# Altium PCB Tag201_GangProgrammerRev2.PcbDoc (part 3 of 7) (continued)
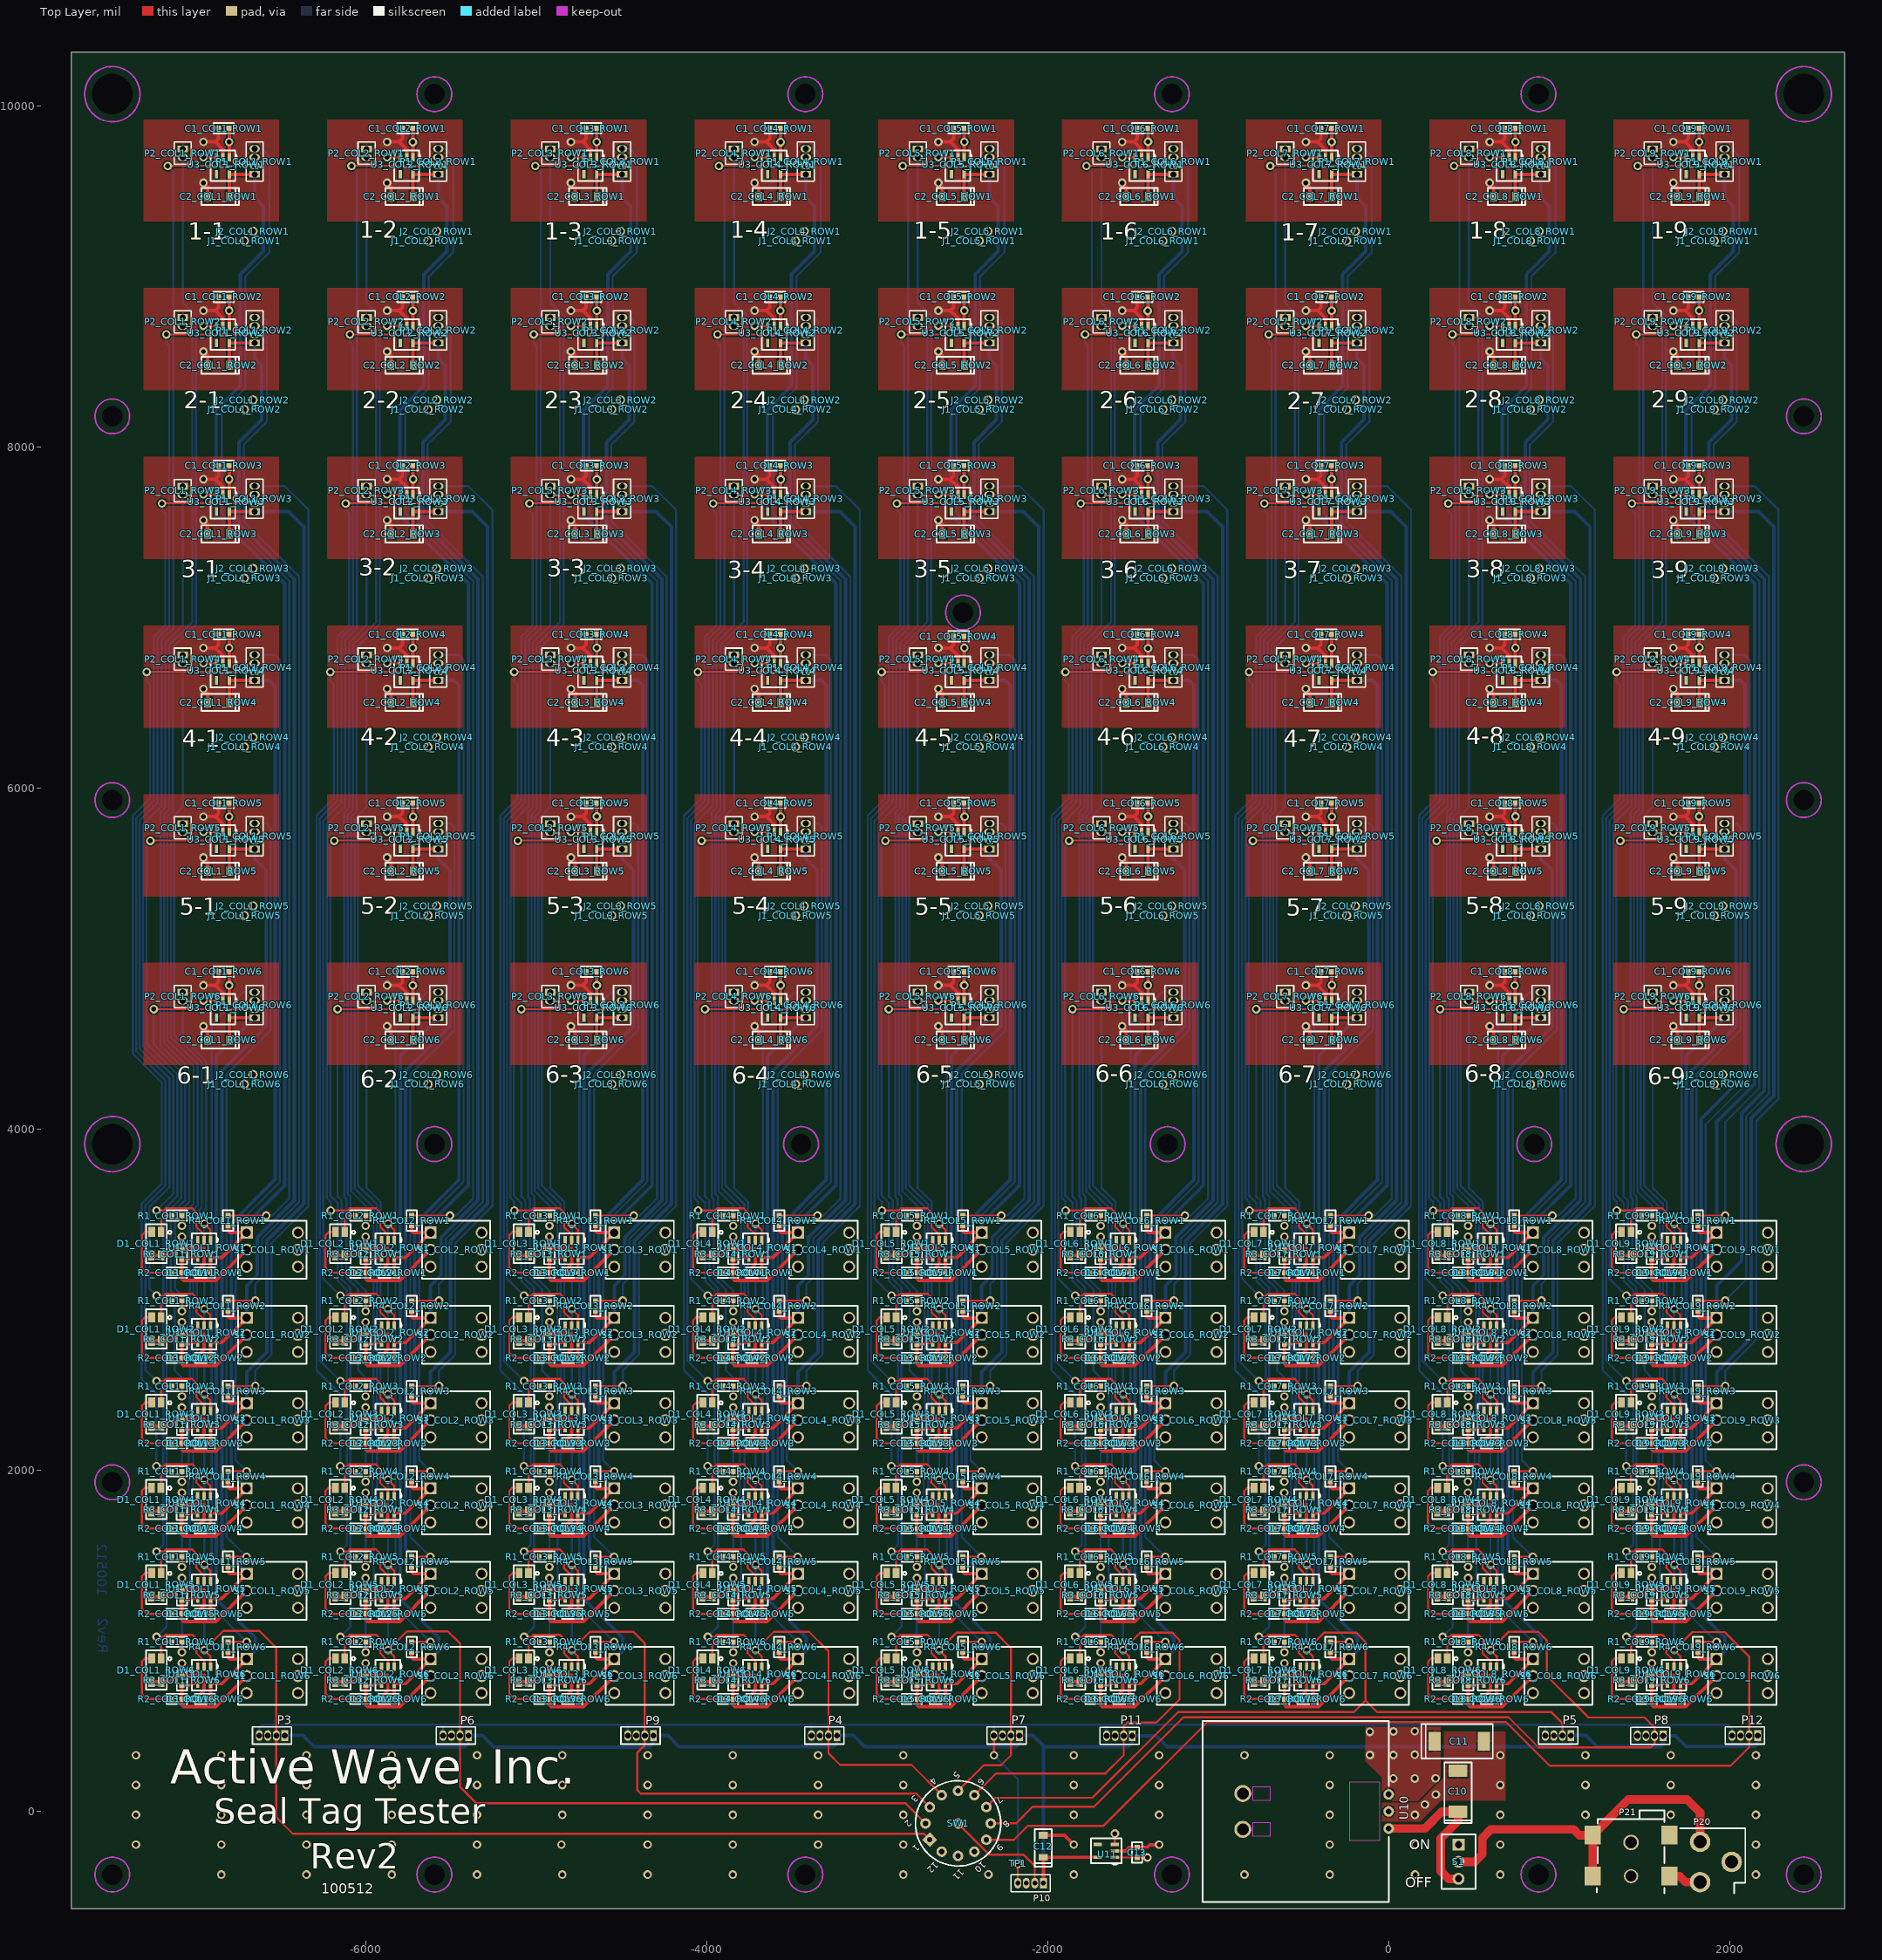
[diagram p0: Top Layer view]
## Nets (pads, with @x,y where several pads share a name; then routed paths per layer and width w, separated by ;. In a path a pad name is that pad's centre, name@x,y a point inside that pad or via, vN(x,y) a via of type N, cw(c..) or ccw(c..) an arc to the next point about the centre after c; other vN are vias at no path point) (continued)
  Top Layer w20: U3_COL1_ROW6.1@-6799,4754 C1_COL1_ROW6.1@-6799,4921.5 ; U3_COL1_ROW5.1@-6799,5743 C1_COL1_ROW5.1@-6799,5910.5 ; U3_COL1_ROW4.1@-6799,6732 C1_COL1_ROW4.1@-6799,6899.5 ; U3_COL1_ROW3.1@-6799,7721 C1_COL1_ROW3.1@-6799,7888.5 ; U3_COL1_ROW2.1@-6799,8710 C1_COL1_ROW2.1@-6799,8877.5 ; U3_COL1_ROW1.1@-6799,9699 C1_COL1_ROW1.1@-6799,9866.5 ; U3_COL2_ROW6.1@-5721.5,4754 C1_COL2_ROW6.1@-5721.5,4921.5 ; U3_COL2_ROW5.1@-5721.5,5743 C1_COL2_ROW5.1@-5721.5,5910.5 ; U3_COL2_ROW4.1@-5721.5,6732 C1_COL2_ROW4.1@-5721.5,6899.5 ; U3_COL2_ROW3.1@-5721.5,7721 C1_COL2_ROW3.1@-5721.5,7888.5 ; U3_COL2_ROW2.1@-5721.5,8710 C1_COL2_ROW2.1@-5721.5,8877.5 ; U3_COL2_ROW1.1@-5721.5,9699 C1_COL2_ROW1.1@-5721.5,9866.5 ; U3_COL3_ROW6.1@-4644,4754 C1_COL3_ROW6.1@-4644,4921.5 ; U3_COL3_ROW5.1@-4644,5743 C1_COL3_ROW5.1@-4644,5910.5 ; U3_COL3_ROW4.1@-4644,6732 C1_COL3_ROW4.1@-4644,6899.5 ; U3_COL3_ROW3.1@-4644,7721 C1_COL3_ROW3.1@-4644,7888.5 ; U3_COL3_ROW2.1@-4644,8710 C1_COL3_ROW2.1@-4644,8877.5 ; U3_COL3_ROW1.1@-4644,9699 C1_COL3_ROW1.1@-4644,9866.5 ; U3_COL4_ROW6.1@-3566.5,4754 C1_COL4_ROW6.1@-3566.5,4921.5 ; U3_COL4_ROW5.1@-3566.5,5743 C1_COL4_ROW5.1@-3566.5,5910.5 ; U3_COL4_ROW4.1@-3566.5,6732 C1_COL4_ROW4.1@-3566.5,6899.5 ; U3_COL4_ROW3.1@-3566.5,7721 C1_COL4_ROW3.1@-3566.5,7888.5 ; U3_COL4_ROW2.1@-3566.5,8710 C1_COL4_ROW2.1@-3566.5,8877.5 ; U3_COL4_ROW1.1@-3566.5,9699 C1_COL4_ROW1.1@-3566.5,9866.5 ; U3_COL5_ROW6.1@-2489,4754 C1_COL5_ROW6.1@-2489,4921.5 ; U3_COL5_ROW5.1@-2489,5743 C1_COL5_ROW5.1@-2489,5910.5 ; U3_COL5_ROW4.1@-2489,6732 C1_COL5_ROW4.1@-2489,6883 ; U3_COL5_ROW3.1@-2489,7721 C1_COL5_ROW3.1@-2489,7888.5 ; U3_COL5_ROW2.1@-2489,8710 C1_COL5_ROW2.1@-2489,8877.5 ; U3_COL5_ROW1.1@-2489,9699 C1_COL5_ROW1.1@-2489,9866.5 ; U3_COL6_ROW6.1@-1411.5,4754 C1_COL6_ROW6.1@-1411.5,4921.5 ; U3_COL6_ROW5.1@-1411.5,5743 C1_COL6_ROW5.1@-1411.5,5910.5 ; U3_COL6_ROW4.1@-1411.5,6732 C1_COL6_ROW4.1@-1411.5,6899.5 ; U3_COL6_ROW3.1@-1411.5,7721 C1_COL6_ROW3.1@-1411.5,7888.5 ; U3_COL6_ROW2.1@-1411.5,8710 C1_COL6_ROW2.1@-1411.5,8877.5 ; U3_COL6_ROW1.1@-1411.5,9699 C1_COL6_ROW1.1@-1411.5,9866.5 ; U3_COL7_ROW6.1@-334,4754 C1_COL7_ROW6.1@-334,4921.5 ; U3_COL7_ROW5.1@-334,5743 C1_COL7_ROW5.1@-334,5910.5 ; U3_COL7_ROW4.1@-334,6732 C1_COL7_ROW4.1@-334,6899.5 ; U3_COL7_ROW3.1@-334,7721 C1_COL7_ROW3.1@-334,7888.5 ; U3_COL7_ROW2.1@-334,8710 C1_COL7_ROW2.1@-334,8877.5 ; U3_COL7_ROW1.1@-334,9699 C1_COL7_ROW1.1@-334,9866.5 ; U3_COL8_ROW6.1@743.5,4754 C1_COL8_ROW6.1@743.5,4921.5 ; U3_COL8_ROW5.1@743.5,5743 C1_COL8_ROW5.1@743.5,5910.5 ; U3_COL8_ROW4.1@743.5,6732 C1_COL8_ROW4.1@743.5,6899.5 ; U3_COL8_ROW3.1@743.5,7721 C1_COL8_ROW3.1@743.5,7888.5 ; U3_COL8_ROW2.1@743.5,8710 C1_COL8_ROW2.1@743.5,8877.5 ; U3_COL8_ROW1.1@743.5,9699 C1_COL8_ROW1.1@743.5,9866.5 ; U3_COL9_ROW6.1@1821,4754 C1_COL9_ROW6.1@1821,4921.5 ; U3_COL9_ROW5.1@1821,5743 C1_COL9_ROW5.1@1821,5910.5 ; U3_COL9_ROW4.1@1821,6732 C1_COL9_ROW4.1@1821,6899.5 ; U3_COL9_ROW3.1@1821,7721 C1_COL9_ROW3.1@1821,7888.5 ; U3_COL9_ROW2.1@1821,8710 C1_COL9_ROW2.1@1821,8877.5 ; U3_COL9_ROW1.1@1821,9699 C1_COL9_ROW1.1@1821,9866.5
  other v1: -1605,-130 27,193 153,193 275,194 -109,331 27,331 153,333 -110,467 28,469 153,470 -5722,4843 739,4843 -6799.5,4844 -4643,4844 -3566,4844 -2489,4844 -1412,4844 1821,4844 -333,4845 -5721,5832 -3566,5832 -6799.5,5833 -2487,5833 -333,5833 -4643,5834 -1411,5834 744,5834 1821,5834 -1411,6820 -6799.5,6822 -5722,6822 -4643,6822 -3566,6822 -2488,6822 -333,6822 744,6822 1822,6824 -4643,7810 -3565,7810 -6799.5,7811 -5721,7811 744,7811 1821,7811 -2489,7812 -1412,7812 -334,7812 -1413,8798 -5722,8799 -4643,8799 -3567,8799 -334,8799 -6799.5,8800 -2488,8800 744,8800 1821,8800 -5722,9788 -3566,9788 -6799.5,9789 -4644,9789 -2488,9789 -334,9789 744,9789 1821,9789 -1411,9790
DEBUG_COL1: P3.2 SW1.1 U1_COL1_ROW1.1@-6909,3349 U1_COL1_ROW2.1@-6909,2849 U1_COL1_ROW3.1@-6909,2349 U1_COL1_ROW4.1@-6909.5,1849 U1_COL1_ROW5.1@-6909,1349 U1_COL1_ROW6.1@-6909,849 | length 8562.7
  Top Layer w12: v1(-6946,1946) -6909.5,1909.5 U1_COL1_ROW4.1@-6909.5,1849 ; v1(-6945.5,1446) -6909,1409.5 U1_COL1_ROW5.1@-6909,1349 ; v1(-6945.5,2446) -6909,2409.5 U1_COL1_ROW3.1@-6909,2349 ; v1(-6945.5,2946) -6909,2909.5 U1_COL1_ROW2.1@-6909,2849 ; v1(-6945.5,3446) -6909,3409.5 U1_COL1_ROW1.1@-6909,3349 ; U1_COL1_ROW6.1@-6909,849 -6909,909.5 v1(-6945.5,946) -6832.5,1059 -6623,1059 -6523,959 P3.2@-6523,445 -6523,-34 -6426,-131 -2725.63,-131 SW1.1@-2691.17,-165.46
  Bottom Layer w12: v1(-6945.5,946) v1(-6945.5,1446) v1(-6945.5,2446) v1(-6945.5,2946) v1(-6945.5,3446)
DEBUG_COL1_ROW1: P1_COL1_ROW1.2 U1_COL1_ROW1.2 | length 7265.1
  Top Layer w12: v1(-7225.5,3524) -7183.5,3524 -7171.5,3536 -7015.5,3536 -6991.5,3512 -6991.5,3428 -6946,3382.5 U1_COL1_ROW1.2@-6946,3349 ; v1@-7159.5,9649 P1_COL1_ROW1.2@-6650.5,9649
  Bottom Layer w12: v1(-7225.5,3524) -7126.5,3623 -7126.5,4310 -7304.5,4488 -7304.5,5787 -7196.5,5895 -7196.5,6868 -7127.5,6937 -7127.5,9616 v1(-7159.5,9648)
DEBUG_COL1_ROW2: P1_COL1_ROW2.2 U1_COL1_ROW2.2 | length 6803
  Top Layer w12: v1(-7225.5,3024) -7183.5,3024 -7171.5,3036 -7015.5,3036 -6991.5,3012 -6991.5,2928 -6946,2882.5 U1_COL1_ROW2.2@-6946,2849 ; v1(-7168.5,8660) P1_COL1_ROW2.2@-6650.5,8660
  Bottom Layer w12: v1(-7225.5,3024) -7268.5,3067 -7268.5,3543 -7149.5,3662 -7149.5,4297 -7324.5,4472 -7324.5,5810 -7218.5,5916 -7218.5,6880 -7151.5,6947 -7151.5,8593 -7168.5,8610 v1(-7168.5,8660)
DEBUG_COL1_ROW3: P1_COL1_ROW3.2 U1_COL1_ROW3.2 | length 6342.9
  Top Layer w12: v1(-7225.5,2524) -7183.5,2524 -7171.5,2536 -7015.5,2536 -6991.5,2512 -6991.5,2428 -6946,2382.5 U1_COL1_ROW3.2@-6946,2349 ; v1@-7191.5,7671 P1_COL1_ROW3.2@-6650.5,7671
  Bottom Layer w12: v1(-7225.5,2524) -7291.5,2590 -7291.5,3553 -7172.5,3672 -7172.5,4285 -7344.5,4457 -7344.5,5824 -7241.5,5927 -7241.5,6888 -7174.5,6955 -7174.5,7611 -7193.5,7630 v1(-7193.5,7669)
DEBUG_COL1_ROW4: P1_COL1_ROW4.2 U1_COL1_ROW4.2 | length 5925.8
  Top Layer w12: v1@-7282.5,6682 P1_COL1_ROW4.2@-6650.5,6682 ; v1(-7226,2024) -7184,2024 -7172,2036 -7016,2036 -6992,2012 -6992,1928 -6946.5,1882.5 U1_COL1_ROW4.2@-6946.5,1849
  Bottom Layer w12: v1(-7283.5,6681) -7283.5,6627 -7263.5,6607 -7263.5,5940 -7364.5,5839 -7364.5,4443 -7194.5,4273 -7194.5,3682 -7313.5,3563 -7313.5,2536 -7226,2448.5 v1(-7226,2024)
DEBUG_COL1_ROW5: P1_COL1_ROW5.2 U1_COL1_ROW5.2 | length 5341
  Top Layer w12: v1@-7259.5,5693 P1_COL1_ROW5.2@-6650.5,5693 ; v1(-7225.5,1524) -7183.5,1524 -7171.5,1536 -7015.5,1536 -6991.5,1512 -6991.5,1428 -6946,1382.5 U1_COL1_ROW5.2@-6946,1349
  Bottom Layer w12: v1(-7261.5,5691) -7284.5,5668 -7284.5,4504 -7104.5,4324 -7104.5,3606 -7186.5,3524 -7186.5,1563 v1(-7225.5,1524)
DEBUG_COL1_ROW6: P1_COL1_ROW6.2 U1_COL1_ROW6.2 | length 4827.7
  Top Layer w12: v1(-7241.5,4704) P1_COL1_ROW6.2@-6650.5,4704 ; v1(-7225.5,1024) -7183.5,1024 -7171.5,1036 -7015.5,1036 -6991.5,1012 -6991.5,928 -6946,882.5 U1_COL1_ROW6.2@-6946,849
  Bottom Layer w12: v1(-7241.5,4704) -7241.5,4497 -7081.5,4337 -7081.5,3595 -7166.5,3510 -7166.5,1083 v1(-7225.5,1024)
DEBUG_COL2: P6.2 SW1.2 U1_COL2_ROW1.1@-5831.5,3349 U1_COL2_ROW2.1@-5831.5,2849 U1_COL2_ROW3.1@-5831.5,2349 U1_COL2_ROW4.1@-5832,1849 U1_COL2_ROW5.1@-5831.5,1349 U1_COL2_ROW6.1@-5831.5,849 | length 7329.4
  Top Layer w12: v1(-5868.5,1946) -5832,1909.5 U1_COL2_ROW4.1@-5832,1849 ; v1(-5868,1446) -5831.5,1409.5 U1_COL2_ROW5.1@-5831.5,1349 ; v1(-5868,2446) -5831.5,2409.5 U1_COL2_ROW3.1@-5831.5,2349 ; v1(-5868,2946) -5831.5,2909.5 U1_COL2_ROW2.1@-5831.5,2849 ; v1(-5868,3446) -5831.5,3409.5 U1_COL2_ROW1.1@-5831.5,3349 ; U1_COL2_ROW6.1@-5831.5,849 -5831.5,909.5 v1(-5868,946) -5758,1056 -5517,1056 -5446,985 P6.2@-5446,445 -5446,144 -5351,49 -2834.92,49 SW1.2@-2715.92,-70
  Bottom Layer w12: v1(-5868,946) v1(-5868,1446) v1(-5868,2446) v1(-5868,2946) v1(-5868,3446)
DEBUG_COL2_ROW1: P1_COL2_ROW1.2 U1_COL2_ROW1.2 | length 7217.1
  Top Layer w12: v1@-6204.5,3524 -6106,3524 -6094,3536 -5938,3536 -5914,3512 -5914,3428 -5868.5,3382.5 U1_COL2_ROW1.2@-5868.5,3349 ; v1@-6082,9649 P1_COL2_ROW1.2@-5573,9649
  Bottom Layer w12: v1(-6204.5,3523) -6204.5,3574 -6227,3596.5 -6227,5787 -6119,5895 -6119,6868 -6050,6937 -6050,9616 v1(-6082,9648)
DEBUG_COL2_ROW2: P1_COL2_ROW2.2 U1_COL2_ROW2.2 | length 6704.5
  Top Layer w12: v1(-6148,3024) -6106,3024 -6094,3036 -5938,3036 -5914,3012 -5914,2928 -5868.5,2882.5 U1_COL2_ROW2.2@-5868.5,2849 ; v1(-6091,8660) P1_COL2_ROW2.2@-5573,8660
  Bottom Layer w12: v1(-6148,3024) -6247,3123 -6247,5810 -6141,5916 -6141,6880 -6074,6947 -6074,8593 -6091,8610 v1(-6091,8660)
DEBUG_COL2_ROW3: P1_COL2_ROW3.2 U1_COL2_ROW3.2 | length 6244.3
  Top Layer w12: v1(-6148,2524) -6106,2524 -6094,2536 -5938,2536 -5914,2512 -5914,2428 -5868.5,2382.5 U1_COL2_ROW3.2@-5868.5,2349 ; v1@-6114,7671 P1_COL2_ROW3.2@-5573,7671
  Bottom Layer w12: v1(-6148,2524) -6267,2643 -6267,5824 -6164,5927 -6164,6888 -6097,6955 -6097,7611 -6116,7630 v1(-6116,7669)
DEBUG_COL2_ROW4: P1_COL2_ROW4.2 U1_COL2_ROW4.2 | length 5827.2
  Top Layer w12: v1@-6205,6682 P1_COL2_ROW4.2@-5573,6682 ; v1(-6148.5,2024) -6106.5,2024 -6094.5,2036 -5938.5,2036 -5914.5,2012 -5914.5,1928 -5869,1882.5 U1_COL2_ROW4.2@-5869,1849
  Bottom Layer w12: v1(-6206,6681) -6206,6627 -6186,6607 -6186,5940 -6287,5839 -6287,2587 -6148.5,2448.5 v1(-6148.5,2024)
DEBUG_COL2_ROW5: P1_COL2_ROW5.2 U1_COL2_ROW5.2 | length 5273
  Top Layer w12: v1@-6182,5693 P1_COL2_ROW5.2@-5573,5693 ; v1(-6148,1524) -6106,1524 -6094,1536 -5938,1536 -5914,1512 -5914,1428 -5868.5,1382.5 U1_COL2_ROW5.2@-5868.5,1349
  Bottom Layer w12: v1(-6184,5691) -6207,5668 -6207,3611.5 -6163.5,3568 -6163.5,3110.5 -6109,3056 -6109,1563 v1(-6148,1524)
DEBUG_COL2_ROW6: P1_COL2_ROW6.2 U1_COL2_ROW6.2 | length 4757.3
  Top Layer w12: v1(-6164,4704) P1_COL2_ROW6.2@-5573,4704 ; v1(-6148,1024) -6106,1024 -6094,1036 -5938,1036 -5914,1012 -5914,928 -5868.5,882.5 U1_COL2_ROW6.2@-5868.5,849
  Bottom Layer w12: v1(-6164,4704) -6164,3606.5 -6139.5,3582 -6139.5,3121.5 -6089,3071 -6089,1083 v1(-6148,1024)
DEBUG_COL3: P9.2 SW1.3 U1_COL3_ROW1.1@-4754,3349 U1_COL3_ROW2.1@-4754,2849 U1_COL3_ROW3.1@-4754,2349 U1_COL3_ROW4.1@-4754.5,1849 U1_COL3_ROW5.1@-4754,1349 U1_COL3_ROW6.1@-4754,849 | length 6309.8
  Top Layer w12: v1(-4791,1946) -4754.5,1909.5 U1_COL3_ROW4.1@-4754.5,1849 ; v1(-4790.5,1446) -4754,1409.5 U1_COL3_ROW5.1@-4754,1349 ; v1(-4790.5,2446) -4754,2409.5 U1_COL3_ROW3.1@-4754,2349 ; v1(-4790.5,2946) -4754,2909.5 U1_COL3_ROW2.1@-4754,2849 ; v1(-4790.5,3446) -4754,3409.5 U1_COL3_ROW1.1@-4754,3349 ; U1_COL3_ROW6.1@-4754,849 -4754,909.5 v1(-4790.5,946) -4682.5,1054 -4431,1054 -4362,985 P9.2@-4362,445 -4362,389 -4407,344 -4407,126 -4386,105 -2770.1,105 SW1.3@-2690.87,25.76
  Bottom Layer w12: v1(-4790.5,946) v1(-4790.5,1446) v1(-4790.5,2446) v1(-4790.5,2946) v1(-4790.5,3446)
DEBUG_COL3_ROW1: P1_COL3_ROW1.2 U1_COL3_ROW1.2 | length 7217.1
  Top Layer w12: v1@-5127,3524 -5028.5,3524 -5016.5,3536 -4860.5,3536 -4836.5,3512 -4836.5,3428 -4791,3382.5 U1_COL3_ROW1.2@-4791,3349 ; v1@-5004.5,9649 P1_COL3_ROW1.2@-4495.5,9649
  Bottom Layer w12: v1(-5127,3523) -5127,3574 -5149.5,3596.5 -5149.5,5787 -5041.5,5895 -5041.5,6868 -4972.5,6937 -4972.5,9616 v1(-5004.5,9648)
DEBUG_COL3_ROW2: P1_COL3_ROW2.2 U1_COL3_ROW2.2 | length 6704.5
  Top Layer w12: v1(-5070.5,3024) -5028.5,3024 -5016.5,3036 -4860.5,3036 -4836.5,3012 -4836.5,2928 -4791,2882.5 U1_COL3_ROW2.2@-4791,2849 ; v1(-5013.5,8660) P1_COL3_ROW2.2@-4495.5,8660
  Bottom Layer w12: v1(-5070.5,3024) -5169.5,3123 -5169.5,5810 -5063.5,5916 -5063.5,6880 -4996.5,6947 -4996.5,8593 -5013.5,8610 v1(-5013.5,8660)
DEBUG_COL3_ROW3: P1_COL3_ROW3.2 U1_COL3_ROW3.2 | length 6244.3
  Top Layer w12: v1(-5070.5,2524) -5028.5,2524 -5016.5,2536 -4860.5,2536 -4836.5,2512 -4836.5,2428 -4791,2382.5 U1_COL3_ROW3.2@-4791,2349 ; v1@-5036.5,7671 P1_COL3_ROW3.2@-4495.5,7671
  Bottom Layer w12: v1(-5070.5,2524) -5189.5,2643 -5189.5,5824 -5086.5,5927 -5086.5,6888 -5019.5,6955 -5019.5,7611 -5038.5,7630 v1(-5038.5,7669)
DEBUG_COL3_ROW4: P1_COL3_ROW4.2 U1_COL3_ROW4.2 | length 5827.2
  Top Layer w12: v1@-5127.5,6682 P1_COL3_ROW4.2@-4495.5,6682 ; v1(-5071,2024) -5029,2024 -5017,2036 -4861,2036 -4837,2012 -4837,1928 -4791.5,1882.5 U1_COL3_ROW4.2@-4791.5,1849
  Bottom Layer w12: v1(-5128.5,6681) -5128.5,6627 -5108.5,6607 -5108.5,5940 -5209.5,5839 -5209.5,2587 -5071,2448.5 v1(-5071,2024)
DEBUG_COL3_ROW5: P1_COL3_ROW5.2 U1_COL3_ROW5.2 | length 5273
  Top Layer w12: v1@-5104.5,5693 P1_COL3_ROW5.2@-4495.5,5693 ; v1(-5070.5,1524) -5028.5,1524 -5016.5,1536 -4860.5,1536 -4836.5,1512 -4836.5,1428 -4791,1382.5 U1_COL3_ROW5.2@-4791,1349
  Bottom Layer w12: v1(-5106.5,5691) -5129.5,5668 -5129.5,3611.5 -5086,3568 -5086,3110.5 -5031.5,3056 -5031.5,1563 v1(-5070.5,1524)
DEBUG_COL3_ROW6: P1_COL3_ROW6.2 U1_COL3_ROW6.2 | length 4757.3
  Top Layer w12: v1(-5086.5,4704) P1_COL3_ROW6.2@-4495.5,4704 ; v1(-5070.5,1024) -5028.5,1024 -5016.5,1036 -4860.5,1036 -4836.5,1012 -4836.5,928 -4791,882.5 U1_COL3_ROW6.2@-4791,849
  Bottom Layer w12: v1(-5086.5,4704) -5086.5,3606.5 -5062,3582 -5062,3121.5 -5011.5,3071 -5011.5,1083 v1(-5070.5,1024)
DEBUG_COL4: P4.2 SW1.4 U1_COL4_ROW1.1@-3676.5,3349 U1_COL4_ROW2.1@-3676.5,2849 U1_COL4_ROW3.1@-3676.5,2349 U1_COL4_ROW4.1@-3677,1849 U1_COL4_ROW5.1@-3676.5,1349 U1_COL4_ROW6.1@-3676.5,849 | length 5056
  Top Layer w12: v1(-3713.5,1946) -3677,1909.5 U1_COL4_ROW4.1@-3677,1849 ; v1(-3713,1446) -3676.5,1409.5 U1_COL4_ROW5.1@-3676.5,1349 ; v1(-3713,2446) -3676.5,2409.5 U1_COL4_ROW3.1@-3676.5,2349 ; v1(-3713,2946) -3676.5,2909.5 U1_COL4_ROW2.1@-3676.5,2849 ; v1(-3713,3446) -3676.5,3409.5 U1_COL4_ROW1.1@-3676.5,3349 ; U1_COL4_ROW6.1@-3676.5,849 -3676.5,909.5 v1(-3713,946) -3606,1053 -3399,1053 -3285,939 P4.2@-3285,445 -3285,341 -3217,273 -2797.9,273 SW1.4@-2620.76,95.87
  Bottom Layer w12: v1(-3713,946) v1(-3713,1446) v1(-3713,2446) v1(-3713,2946) v1(-3713,3446)
DEBUG_COL4_ROW1: P1_COL4_ROW1.2 U1_COL4_ROW1.2 | length 7217.1
  Top Layer w12: v1@-4049.5,3524 -3951,3524 -3939,3536 -3783,3536 -3759,3512 -3759,3428 -3713.5,3382.5 U1_COL4_ROW1.2@-3713.5,3349 ; v1@-3927,9649 P1_COL4_ROW1.2@-3418,9649
  Bottom Layer w12: v1(-4049.5,3523) -4049.5,3574 -4072,3596.5 -4072,5787 -3964,5895 -3964,6868 -3895,6937 -3895,9616 v1(-3927,9648)
DEBUG_COL4_ROW2: P1_COL4_ROW2.2 U1_COL4_ROW2.2 | length 6704.5
  Top Layer w12: v1(-3993,3024) -3951,3024 -3939,3036 -3783,3036 -3759,3012 -3759,2928 -3713.5,2882.5 U1_COL4_ROW2.2@-3713.5,2849 ; v1(-3936,8660) P1_COL4_ROW2.2@-3418,8660
  Bottom Layer w12: v1(-3993,3024) -4092,3123 -4092,5810 -3986,5916 -3986,6880 -3919,6947 -3919,8593 -3936,8610 v1(-3936,8660)
DEBUG_COL4_ROW3: P1_COL4_ROW3.2 U1_COL4_ROW3.2 | length 6244.3
  Top Layer w12: v1(-3993,2524) -3951,2524 -3939,2536 -3783,2536 -3759,2512 -3759,2428 -3713.5,2382.5 U1_COL4_ROW3.2@-3713.5,2349 ; v1@-3959,7671 P1_COL4_ROW3.2@-3418,7671
  Bottom Layer w12: v1(-3993,2524) -4112,2643 -4112,5824 -4009,5927 -4009,6888 -3942,6955 -3942,7611 -3961,7630 v1(-3961,7669)
DEBUG_COL4_ROW4: P1_COL4_ROW4.2 U1_COL4_ROW4.2 | length 5827.2
  Top Layer w12: v1@-4050,6682 P1_COL4_ROW4.2@-3418,6682 ; v1(-3993.5,2024) -3951.5,2024 -3939.5,2036 -3783.5,2036 -3759.5,2012 -3759.5,1928 -3714,1882.5 U1_COL4_ROW4.2@-3714,1849
  Bottom Layer w12: v1(-4051,6681) -4051,6627 -4031,6607 -4031,5940 -4132,5839 -4132,2587 -3993.5,2448.5 v1(-3993.5,2024)
DEBUG_COL4_ROW5: P1_COL4_ROW5.2 U1_COL4_ROW5.2 | length 5273
  Top Layer w12: v1@-4027,5693 P1_COL4_ROW5.2@-3418,5693 ; v1(-3993,1524) -3951,1524 -3939,1536 -3783,1536 -3759,1512 -3759,1428 -3713.5,1382.5 U1_COL4_ROW5.2@-3713.5,1349
  Bottom Layer w12: v1(-4029,5691) -4052,5668 -4052,3611.5 -4008.5,3568 -4008.5,3110.5 -3954,3056 -3954,1563 v1(-3993,1524)
DEBUG_COL4_ROW6: P1_COL4_ROW6.2 U1_COL4_ROW6.2 | length 4757.3
  Top Layer w12: v1(-4009,4704) P1_COL4_ROW6.2@-3418,4704 ; v1(-3993,1024) -3951,1024 -3939,1036 -3783,1036 -3759,1012 -3759,928 -3713.5,882.5 U1_COL4_ROW6.2@-3713.5,849
  Bottom Layer w12: v1(-4009,4704) -4009,3606.5 -3984.5,3582 -3984.5,3121.5 -3934,3071 -3934,1083 v1(-3993,1024)
DEBUG_COL5: P7.2 SW1.5 U1_COL5_ROW1.1@-2599,3349 U1_COL5_ROW2.1@-2599,2849 U1_COL5_ROW3.1@-2599,2349 U1_COL5_ROW4.1@-2599.5,1849 U1_COL5_ROW5.1@-2599,1349 U1_COL5_ROW6.1@-2599,849 | length 4698.2
  Top Layer w12: v1(-2636,1946) -2599.5,1909.5 U1_COL5_ROW4.1@-2599.5,1849 ; v1(-2635.5,1446) -2599,1409.5 U1_COL5_ROW5.1@-2599,1349 ; v1(-2635.5,2446) -2599,2409.5 U1_COL5_ROW3.1@-2599,2349 ; v1(-2635.5,2946) -2599,2909.5 U1_COL5_ROW2.1@-2599,2849 ; v1(-2635.5,3446) -2599,3409.5 U1_COL5_ROW1.1@-2599,3349 ; U1_COL5_ROW6.1@-2599,849 -2599,909.5 v1(-2635.5,946) -2532.5,1049 -2306,1049 -2215,958 P7.2@-2215,445 -2215,330 -2274,271 -2374.92,271 SW1.5@-2525,120.92
  Bottom Layer w12: v1(-2635.5,946) v1(-2635.5,1446) v1(-2635.5,2446) v1(-2635.5,2946) v1(-2635.5,3446)
DEBUG_COL5_ROW1: P1_COL5_ROW1.2 U1_COL5_ROW1.2 | length 7217.1
  Top Layer w12: v1@-2972,3524 -2873.5,3524 -2861.5,3536 -2705.5,3536 -2681.5,3512 -2681.5,3428 -2636,3382.5 U1_COL5_ROW1.2@-2636,3349 ; v1@-2849.5,9649 P1_COL5_ROW1.2@-2340.5,9649
  Bottom Layer w12: v1(-2972,3523) -2972,3574 -2994.5,3596.5 -2994.5,5787 -2886.5,5895 -2886.5,6868 -2817.5,6937 -2817.5,9616 v1(-2849.5,9648)
DEBUG_COL5_ROW2: P1_COL5_ROW2.2 U1_COL5_ROW2.2 | length 6704.5
  Top Layer w12: v1(-2915.5,3024) -2873.5,3024 -2861.5,3036 -2705.5,3036 -2681.5,3012 -2681.5,2928 -2636,2882.5 U1_COL5_ROW2.2@-2636,2849 ; v1(-2858.5,8660) P1_COL5_ROW2.2@-2340.5,8660
  Bottom Layer w12: v1(-2915.5,3024) -3014.5,3123 -3014.5,5810 -2908.5,5916 -2908.5,6880 -2841.5,6947 -2841.5,8593 -2858.5,8610 v1(-2858.5,8660)
DEBUG_COL5_ROW3: P1_COL5_ROW3.2 U1_COL5_ROW3.2 | length 6244.3
  Top Layer w12: v1(-2915.5,2524) -2873.5,2524 -2861.5,2536 -2705.5,2536 -2681.5,2512 -2681.5,2428 -2636,2382.5 U1_COL5_ROW3.2@-2636,2349 ; v1@-2881.5,7671 P1_COL5_ROW3.2@-2340.5,7671
  Bottom Layer w12: v1(-2915.5,2524) -3034.5,2643 -3034.5,5824 -2931.5,5927 -2931.5,6888 -2864.5,6955 -2864.5,7611 -2883.5,7630 v1(-2883.5,7669)
DEBUG_COL5_ROW4: P1_COL5_ROW4.2 U1_COL5_ROW4.2 | length 5827.2
  Top Layer w12: v1@-2972.5,6682 P1_COL5_ROW4.2@-2340.5,6682 ; v1(-2916,2024) -2874,2024 -2862,2036 -2706,2036 -2682,2012 -2682,1928 -2636.5,1882.5 U1_COL5_ROW4.2@-2636.5,1849
  Bottom Layer w12: v1(-2973.5,6681) -2973.5,6627 -2953.5,6607 -2953.5,5940 -3054.5,5839 -3054.5,2587 -2916,2448.5 v1(-2916,2024)
DEBUG_COL5_ROW5: P1_COL5_ROW5.2 U1_COL5_ROW5.2 | length 5273
  Top Layer w12: v1@-2949.5,5693 P1_COL5_ROW5.2@-2340.5,5693 ; v1(-2915.5,1524) -2873.5,1524 -2861.5,1536 -2705.5,1536 -2681.5,1512 -2681.5,1428 -2636,1382.5 U1_COL5_ROW5.2@-2636,1349
  Bottom Layer w12: v1(-2951.5,5691) -2974.5,5668 -2974.5,3611.5 -2931,3568 -2931,3110.5 -2876.5,3056 -2876.5,1563 v1(-2915.5,1524)
DEBUG_COL5_ROW6: P1_COL5_ROW6.2 U1_COL5_ROW6.2 | length 4757.3
  Top Layer w12: v1(-2931.5,4704) P1_COL5_ROW6.2@-2340.5,4704 ; v1(-2915.5,1024) -2873.5,1024 -2861.5,1036 -2705.5,1036 -2681.5,1012 -2681.5,928 -2636,882.5 U1_COL5_ROW6.2@-2636,849
  Bottom Layer w12: v1(-2931.5,4704) -2931.5,3606.5 -2907,3582 -2907,3121.5 -2856.5,3071 -2856.5,1083 v1(-2915.5,1024)
DEBUG_COL6: P11.2 SW1.6 U1_COL6_ROW1.1@-1521.5,3349 U1_COL6_ROW2.1@-1521.5,2849 U1_COL6_ROW3.1@-1521.5,2349 U1_COL6_ROW4.1@-1522,1849 U1_COL6_ROW5.1@-1521.5,1349 U1_COL6_ROW6.1@-1521.5,849 | length 5447
  Top Layer w12: SW1.6@-2429.24,95.87 -2302.1,223 -1660.5,223 -1554,329.5 P11.2@-1554,444 -1554,498 -1531,521 -1362.5,521 -1226.5,657 -1226.5,1005 -1270.5,1049 -1455,1049 v1(-1558,946) -1521.5,909.5 U1_COL6_ROW6.1@-1521.5,849 ; v1(-1558.5,1946) -1522,1909.5 U1_COL6_ROW4.1@-1522,1849 ; v1(-1558,1446) -1521.5,1409.5 U1_COL6_ROW5.1@-1521.5,1349 ; v1(-1558,2446) -1521.5,2409.5 U1_COL6_ROW3.1@-1521.5,2349 ; v1(-1558,2946) -1521.5,2909.5 U1_COL6_ROW2.1@-1521.5,2849 ; v1(-1558,3446) -1521.5,3409.5 U1_COL6_ROW1.1@-1521.5,3349
  Bottom Layer w12: v1(-1558,946) v1(-1558,1446) v1(-1558,2446) v1(-1558,2946) v1(-1558,3446)
DEBUG_COL6_ROW1: P1_COL6_ROW1.2 U1_COL6_ROW1.2 | length 7217.1
  Top Layer w12: v1@-1894.5,3524 -1796,3524 -1784,3536 -1628,3536 -1604,3512 -1604,3428 -1558.5,3382.5 U1_COL6_ROW1.2@-1558.5,3349 ; v1@-1772,9649 P1_COL6_ROW1.2@-1263,9649
  Bottom Layer w12: v1(-1894.5,3523) -1894.5,3574 -1917,3596.5 -1917,5787 -1809,5895 -1809,6868 -1740,6937 -1740,9616 v1(-1772,9648)
DEBUG_COL6_ROW2: P1_COL6_ROW2.2 U1_COL6_ROW2.2 | length 6704.5
  Top Layer w12: v1(-1838,3024) -1796,3024 -1784,3036 -1628,3036 -1604,3012 -1604,2928 -1558.5,2882.5 U1_COL6_ROW2.2@-1558.5,2849 ; v1(-1781,8660) P1_COL6_ROW2.2@-1263,8660
  Bottom Layer w12: v1(-1838,3024) -1937,3123 -1937,5810 -1831,5916 -1831,6880 -1764,6947 -1764,8593 -1781,8610 v1(-1781,8660)
DEBUG_COL6_ROW3: P1_COL6_ROW3.2 U1_COL6_ROW3.2 | length 6244.3
  Top Layer w12: v1(-1838,2524) -1796,2524 -1784,2536 -1628,2536 -1604,2512 -1604,2428 -1558.5,2382.5 U1_COL6_ROW3.2@-1558.5,2349 ; v1@-1804,7671 P1_COL6_ROW3.2@-1263,7671
  Bottom Layer w12: v1(-1838,2524) -1957,2643 -1957,5824 -1854,5927 -1854,6888 -1787,6955 -1787,7611 -1806,7630 v1(-1806,7669)
DEBUG_COL6_ROW4: P1_COL6_ROW4.2 U1_COL6_ROW4.2 | length 5827.2
  Top Layer w12: v1@-1895,6682 P1_COL6_ROW4.2@-1263,6682 ; v1(-1838.5,2024) -1796.5,2024 -1784.5,2036 -1628.5,2036 -1604.5,2012 -1604.5,1928 -1559,1882.5 U1_COL6_ROW4.2@-1559,1849
  Bottom Layer w12: v1(-1896,6681) -1896,6627 -1876,6607 -1876,5940 -1977,5839 -1977,2587 -1838.5,2448.5 v1(-1838.5,2024)
DEBUG_COL6_ROW5: P1_COL6_ROW5.2 U1_COL6_ROW5.2 | length 5273
  Top Layer w12: v1@-1872,5693 P1_COL6_ROW5.2@-1263,5693 ; v1(-1838,1524) -1796,1524 -1784,1536 -1628,1536 -1604,1512 -1604,1428 -1558.5,1382.5 U1_COL6_ROW5.2@-1558.5,1349
  Bottom Layer w12: v1(-1874,5691) -1897,5668 -1897,3611.5 -1853.5,3568 -1853.5,3110.5 -1799,3056 -1799,1563 v1(-1838,1524)
DEBUG_COL6_ROW6: P1_COL6_ROW6.2 U1_COL6_ROW6.2 | length 4757.3
  Top Layer w12: v1(-1854,4704) P1_COL6_ROW6.2@-1263,4704 ; v1(-1838,1024) -1796,1024 -1784,1036 -1628,1036 -1604,1012 -1604,928 -1558.5,882.5 U1_COL6_ROW6.2@-1558.5,849
  Bottom Layer w12: v1(-1854,4704) -1854,3606.5 -1829.5,3582 -1829.5,3121.5 -1779,3071 -1779,1083 v1(-1838,1024)
DEBUG_COL7: P5.2 SW1.7 U1_COL7_ROW1.1@-444,3349 U1_COL7_ROW2.1@-444,2849 U1_COL7_ROW3.1@-444,2349 U1_COL7_ROW4.1@-444.5,1849 U1_COL7_ROW5.1@-444,1349 U1_COL7_ROW6.1@-444,849 | length 7690.8
  Top Layer w12: SW1.7@-2359.13,25.76 -2304.9,80 -1737.5,80 -1234.5,583 -203.5,583 -135.5,651 ; v1(-481,1946) -444.5,1909.5 U1_COL7_ROW4.1@-444.5,1849 ; v1(-480.5,1446) -444,1409.5 U1_COL7_ROW5.1@-444,1349 ; v1(-480.5,2446) -444,2409.5 U1_COL7_ROW3.1@-444,2349 ; v1(-480.5,2946) -444,2909.5 U1_COL7_ROW2.1@-444,2849 ; v1(-480.5,3446) -444,3409.5 U1_COL7_ROW1.1@-444,3349 ; U1_COL7_ROW6.1@-444,849 -444,909.5 v1(-480.5,946) -377.5,1049 -191.5,1049 -135.5,993 -135.5,651 ; P5.2@1019,445 1019,518 955,582 -66.5,582 -135.5,651
  Bottom Layer w12: v1(-480.5,946) v1(-480.5,1446) v1(-480.5,2446) v1(-480.5,2946) v1(-480.5,3446)
DEBUG_COL7_ROW1: P1_COL7_ROW1.2 U1_COL7_ROW1.2 | length 7217.1
  Top Layer w12: v1@-817,3524 -718.5,3524 -706.5,3536 -550.5,3536 -526.5,3512 -526.5,3428 -481,3382.5 U1_COL7_ROW1.2@-481,3349 ; v1@-694.5,9649 P1_COL7_ROW1.2@-185.5,9649
  Bottom Layer w12: v1(-817,3523) -817,3574 -839.5,3596.5 -839.5,5787 -731.5,5895 -731.5,6868 -662.5,6937 -662.5,9616 v1(-694.5,9648)
DEBUG_COL7_ROW2: P1_COL7_ROW2.2 U1_COL7_ROW2.2 | length 6704.5
  Top Layer w12: v1(-760.5,3024) -718.5,3024 -706.5,3036 -550.5,3036 -526.5,3012 -526.5,2928 -481,2882.5 U1_COL7_ROW2.2@-481,2849 ; v1(-703.5,8660) P1_COL7_ROW2.2@-185.5,8660
  Bottom Layer w12: v1(-760.5,3024) -859.5,3123 -859.5,5810 -753.5,5916 -753.5,6880 -686.5,6947 -686.5,8593 -703.5,8610 v1(-703.5,8660)
DEBUG_COL7_ROW3: P1_COL7_ROW3.2 U1_COL7_ROW3.2 | length 6244.3
  Top Layer w12: v1(-760.5,2524) -718.5,2524 -706.5,2536 -550.5,2536 -526.5,2512 -526.5,2428 -481,2382.5 U1_COL7_ROW3.2@-481,2349 ; v1@-726.5,7671 P1_COL7_ROW3.2@-185.5,7671
  Bottom Layer w12: v1(-760.5,2524) -879.5,2643 -879.5,5824 -776.5,5927 -776.5,6888 -709.5,6955 -709.5,7611 -728.5,7630 v1(-728.5,7669)
DEBUG_COL7_ROW4: P1_COL7_ROW4.2 U1_COL7_ROW4.2 | length 5827.2
  Top Layer w12: v1@-817.5,6682 P1_COL7_ROW4.2@-185.5,6682 ; v1(-761,2024) -719,2024 -707,2036 -551,2036 -527,2012 -527,1928 -481.5,1882.5 U1_COL7_ROW4.2@-481.5,1849
  Bottom Layer w12: v1(-818.5,6681) -818.5,6627 -798.5,6607 -798.5,5940 -899.5,5839 -899.5,2587 -761,2448.5 v1(-761,2024)
DEBUG_COL7_ROW5: P1_COL7_ROW5.2 U1_COL7_ROW5.2 | length 5273
  Top Layer w12: v1@-794.5,5693 P1_COL7_ROW5.2@-185.5,5693 ; v1(-760.5,1524) -718.5,1524 -706.5,1536 -550.5,1536 -526.5,1512 -526.5,1428 -481,1382.5 U1_COL7_ROW5.2@-481,1349
  Bottom Layer w12: v1(-796.5,5691) -819.5,5668 -819.5,3611.5 -776,3568 -776,3110.5 -721.5,3056 -721.5,1563 v1(-760.5,1524)
DEBUG_COL7_ROW6: P1_COL7_ROW6.2 U1_COL7_ROW6.2 | length 4757.3
  Top Layer w12: v1(-776.5,4704) P1_COL7_ROW6.2@-185.5,4704 ; v1(-760.5,1024) -718.5,1024 -706.5,1036 -550.5,1036 -526.5,1012 -526.5,928 -481,882.5 U1_COL7_ROW6.2@-481,849
  Bottom Layer w12: v1(-776.5,4704) -776.5,3606.5 -752,3582 -752,3121.5 -701.5,3071 -701.5,1083 v1(-760.5,1024)
DEBUG_COL8: P8.2 SW1.8 U1_COL8_ROW1.1@633.5,3349 U1_COL8_ROW2.1@633.5,2849 U1_COL8_ROW3.1@633.5,2349 U1_COL8_ROW4.1@633,1849 U1_COL8_ROW5.1@633.5,1349 U1_COL8_ROW6.1@633.5,849 | length 8861.7
  Top Layer w12: SW1.8@-2334.08,-70 -2185.5,-70 -2087.5,28 -1727.5,28 -1203.5,552 703,552 879,376 1538,376 1559,397 P8.2@1559,444 1559,493 1501,551 1172,551 927.5,795.5 927.5,1003 876.5,1054 705,1054 v1(597,946) 633.5,909.5 U1_COL8_ROW6.1@633.5,849 ; v1(596.5,1946) 633,1909.5 U1_COL8_ROW4.1@633,1849 ; v1(597,1446) 633.5,1409.5 U1_COL8_ROW5.1@633.5,1349 ; v1(597,2446) 633.5,2409.5 U1_COL8_ROW3.1@633.5,2349 ; v1(597,2946) 633.5,2909.5 U1_COL8_ROW2.1@633.5,2849 ; v1(597,3446) 633.5,3409.5 U1_COL8_ROW1.1@633.5,3349
  Bottom Layer w12: v1(597,946) v1(597,1446) v1(597,2446) v1(597,2946) v1(597,3446)